# Altium PCB Spektrop2_PCB_Combined_CMV4000_V2.PcbDoc (part 2 of 6)
Units mm, origin at the board's own origin, x right, y up, seen from the top; angles counter-clockwise.
Board outline 86 x 42 mm, 8 copper layers (TOP, L1-GND, L2, L3-1V8, L4-PWR, L5, L6-P2V5, BTM), stack 1.588 mm thick; 343 components, 311 nets, 1810 pads, 948 vias.
Unrouted connection lines stored in the file: 2.
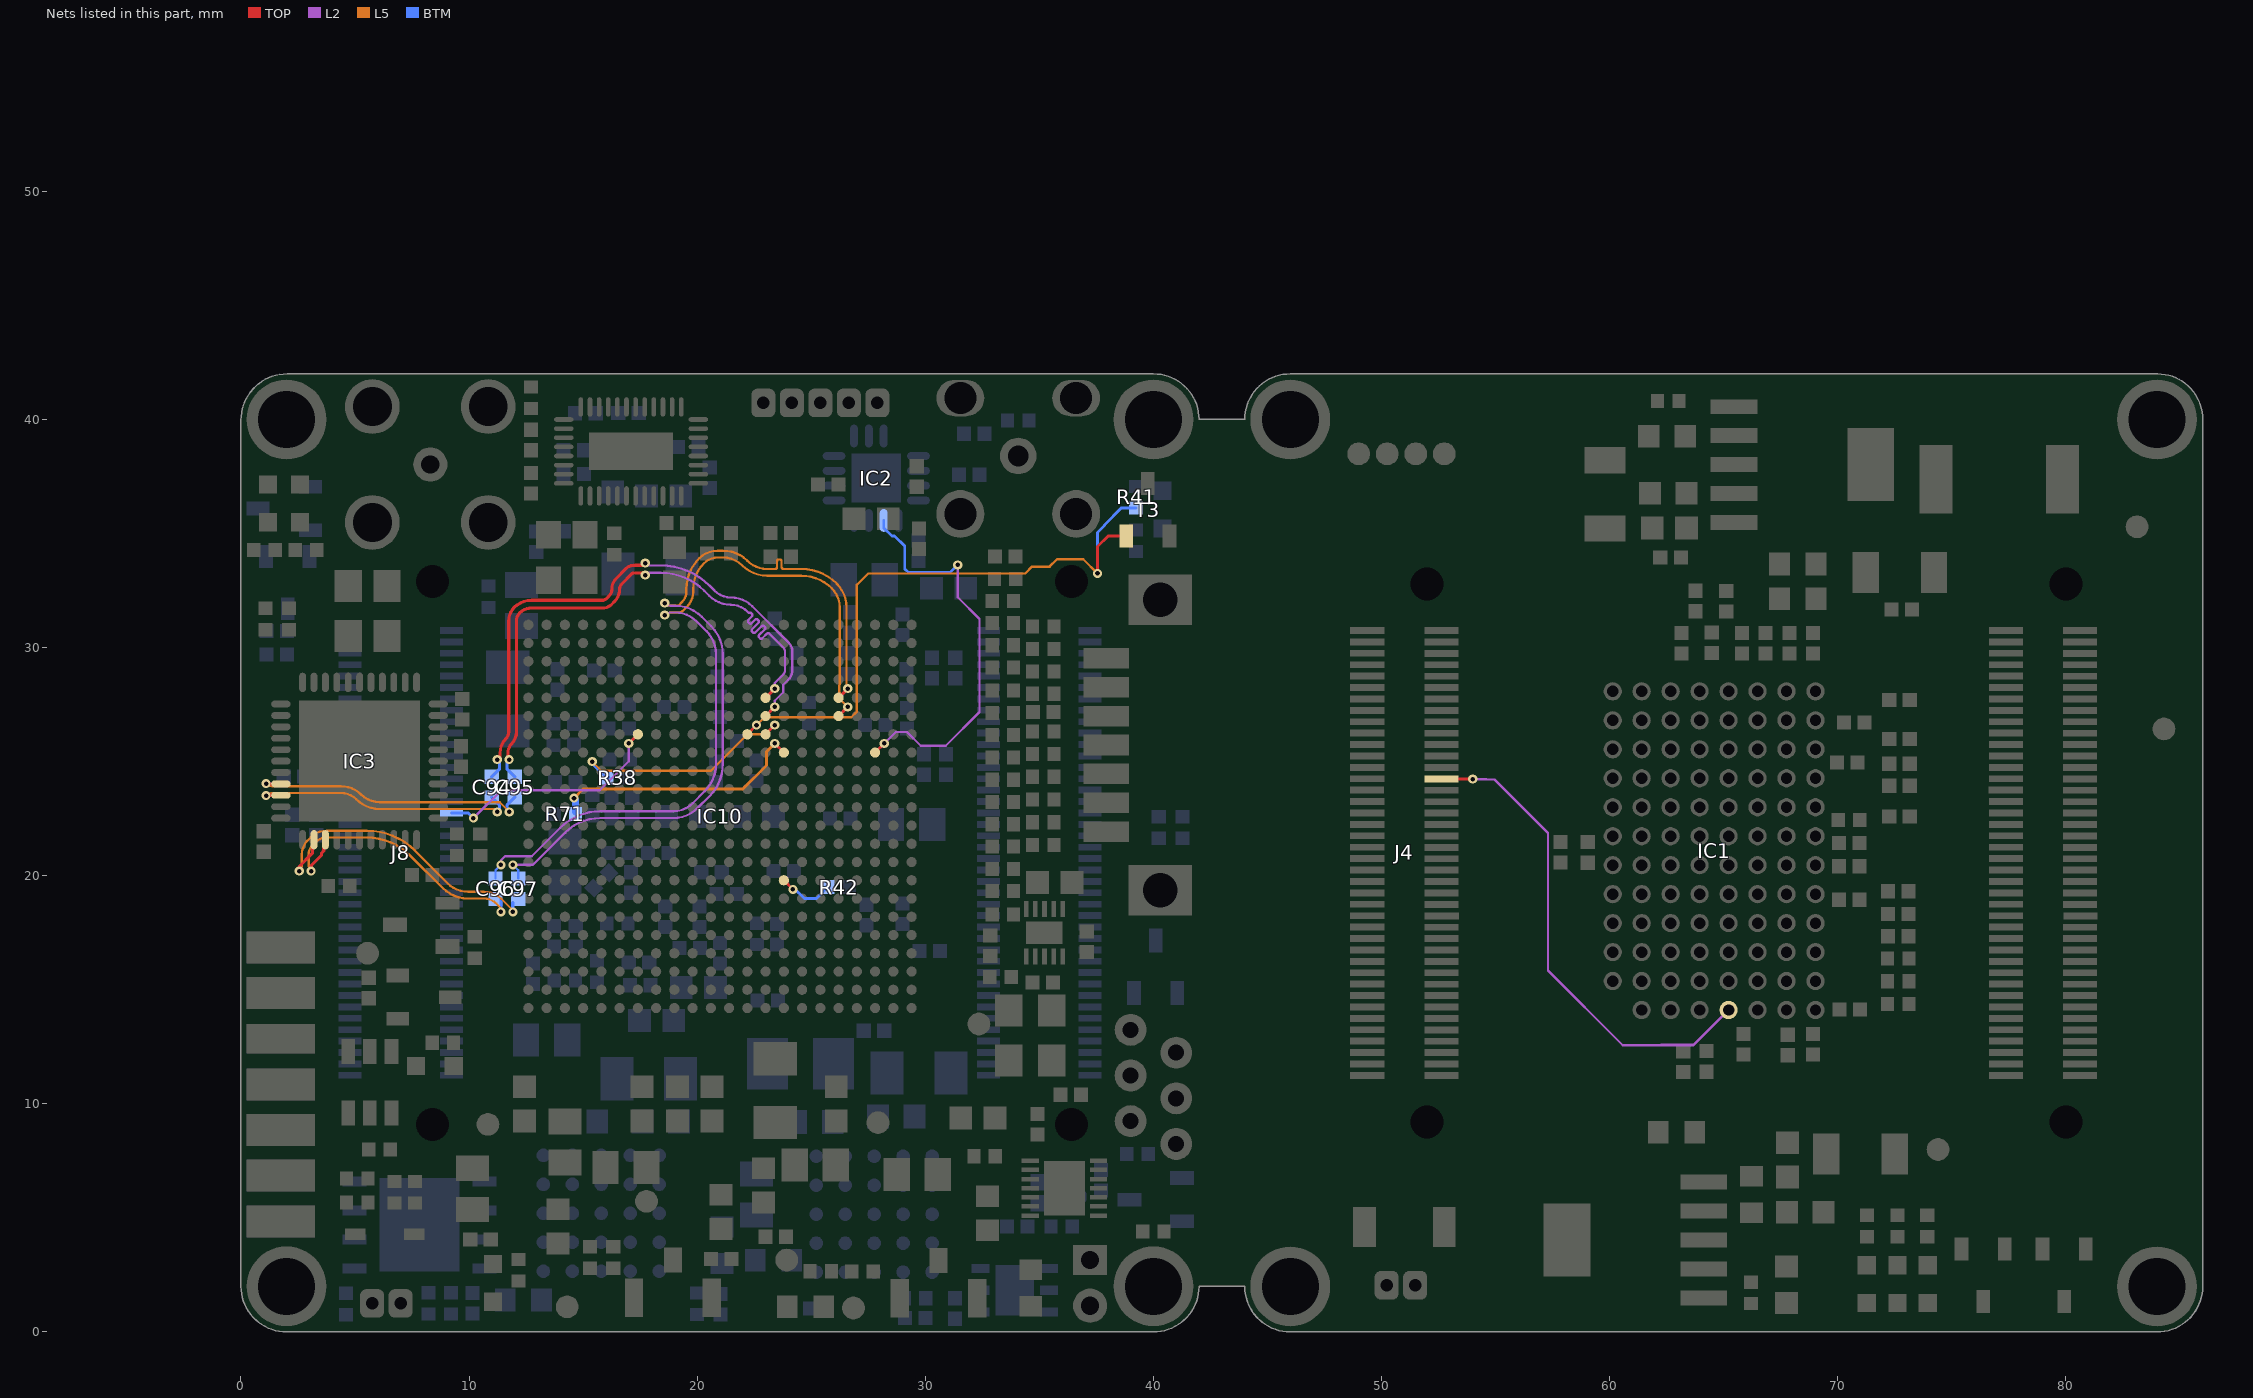
[diagram p8: the nets of this part, all layers, seen from the top]

## Footprints (in the part's own frame and the unit in brackets; to place one, negate y for a bottom-side part, rotate by r counter-clockwise, add the part's x,y. Pads: shape width x height; smd on the part's side, far side on the other; paste and mask are expansions set on the pad) (continued)
BGA484C80P22X22_1900X1900X160 [mm] "BGA, 0.80mm Pitch, Square; 484 Pins, 22 Columns X 22 Rows, 19.00mm X 19.00mm X 1.60mm H"
  round 0.45 smd: A1(-8.4,8.4) A2(-7.6,8.4) A3(-6.8,8.4) A4(-6,8.4) A5(-5.2,8.4) A6(-4.4,8.4) A7(-3.6,8.4) A8(-2.8,8.4) A9(-2,8.4) A10(-1.2,8.4) A11(-0.4,8.4) A12(0.4,8.4) A13(1.2,8.4) A14(2,8.4) A15(2.8,8.4) A16(3.6,8.4) A17(4.4,8.4) A18(5.2,8.4) A19(6,8.4) A20(6.8,8.4) A21(7.6,8.4) A22(8.4,8.4) AA1(-8.4,-7.6) AA2(-7.6,-7.6) AA3(-6.8,-7.6) AA4(-6,-7.6) AA5(-5.2,-7.6) AA6(-4.4,-7.6) AA7(-3.6,-7.6) AA8(-2.8,-7.6) AA9(-2,-7.6) AA10(-1.2,-7.6) AA11(-0.4,-7.6) AA12(0.4,-7.6) AA13(1.2,-7.6) AA14(2,-7.6) AA15(2.8,-7.6) AA16(3.6,-7.6) AA17(4.4,-7.6) AA18(5.2,-7.6) AA19(6,-7.6) AA20(6.8,-7.6) AA21(7.6,-7.6) AA22(8.4,-7.6) AB1(-8.4,-8.4) AB2(-7.6,-8.4) AB3(-6.8,-8.4) AB4(-6,-8.4) AB5(-5.2,-8.4) AB6(-4.4,-8.4) AB7(-3.6,-8.4) AB8(-2.8,-8.4) AB9(-2,-8.4) AB10(-1.2,-8.4) AB11(-0.4,-8.4) AB12(0.4,-8.4) AB13(1.2,-8.4) AB14(2,-8.4) AB15(2.8,-8.4) AB16(3.6,-8.4) AB17(4.4,-8.4) AB18(5.2,-8.4) AB19(6,-8.4) AB20(6.8,-8.4) AB21(7.6,-8.4) AB22(8.4,-8.4) B1(-8.4,7.6) B2(-7.6,7.6) B3(-6.8,7.6) B4(-6,7.6) B5(-5.2,7.6) B6(-4.4,7.6) B7(-3.6,7.6) B8(-2.8,7.6) B9(-2,7.6) B10(-1.2,7.6) B11(-0.4,7.6) B12(0.4,7.6) B13(1.2,7.6) B14(2,7.6) B15(2.8,7.6) B16(3.6,7.6) B17(4.4,7.6) B18(5.2,7.6) B19(6,7.6) B20(6.8,7.6) B21(7.6,7.6) B22(8.4,7.6) C1(-8.4,6.8) C2(-7.6,6.8) C3(-6.8,6.8) C4(-6,6.8) C5(-5.2,6.8) C6(-4.4,6.8) C7(-3.6,6.8) C8(-2.8,6.8) C9(-2,6.8) C10(-1.2,6.8) C11(-0.4,6.8) C12(0.4,6.8) C13(1.2,6.8) C14(2,6.8) C15(2.8,6.8) C16(3.6,6.8) C17(4.4,6.8) C18(5.2,6.8) C19(6,6.8) C20(6.8,6.8) C21(7.6,6.8) C22(8.4,6.8) D1(-8.4,6) D2(-7.6,6) D3(-6.8,6) D4(-6,6) D5(-5.2,6) D6(-4.4,6) D7(-3.6,6) D8(-2.8,6) D9(-2,6) D10(-1.2,6) D11(-0.4,6) D12(0.4,6) D13(1.2,6) D14(2,6) D15(2.8,6) D16(3.6,6) D17(4.4,6) D18(5.2,6) D19(6,6) D20(6.8,6) D21(7.6,6) D22(8.4,6) E1(-8.4,5.2) E2(-7.6,5.2) E3(-6.8,5.2) E4(-6,5.2) E5(-5.2,5.2) E6(-4.4,5.2) E7(-3.6,5.2) E8(-2.8,5.2) E9(-2,5.2) E10(-1.2,5.2) E11(-0.4,5.2) E12(0.4,5.2) E13(1.2,5.2) E14(2,5.2) E15(2.8,5.2) E16(3.6,5.2) E17(4.4,5.2) E18(5.2,5.2) E19(6,5.2) E20(6.8,5.2) E21(7.6,5.2) E22(8.4,5.2) F1(-8.4,4.4) F2(-7.6,4.4) F3(-6.8,4.4) F4(-6,4.4) F5(-5.2,4.4) F6(-4.4,4.4) F7(-3.6,4.4) F8(-2.8,4.4) F9(-2,4.4) F10(-1.2,4.4) F11(-0.4,4.4) F12(0.4,4.4) F13(1.2,4.4) F14(2,4.4) F15(2.8,4.4) F16(3.6,4.4) F17(4.4,4.4) F18(5.2,4.4) F19(6,4.4) F20(6.8,4.4) F21(7.6,4.4) F22(8.4,4.4) G1(-8.4,3.6) G2(-7.6,3.6) G3(-6.8,3.6) G4(-6,3.6) G5(-5.2,3.6) G6(-4.4,3.6) G7(-3.6,3.6) G8(-2.8,3.6) G9(-2,3.6) G10(-1.2,3.6) G11(-0.4,3.6) G12(0.4,3.6) G13(1.2,3.6) G14(2,3.6) G15(2.8,3.6) G16(3.6,3.6) G17(4.4,3.6) G18(5.2,3.6) G19(6,3.6) G20(6.8,3.6) G21(7.6,3.6) G22(8.4,3.6) H1(-8.4,2.8) H2(-7.6,2.8) H3(-6.8,2.8) H4(-6,2.8) H5(-5.2,2.8) H6(-4.4,2.8) H7(-3.6,2.8) H8(-2.8,2.8) H9(-2,2.8) H10(-1.2,2.8) H11(-0.4,2.8) H12(0.4,2.8) H13(1.2,2.8) H14(2,2.8) H15(2.8,2.8) H16(3.6,2.8) H17(4.4,2.8) H18(5.2,2.8) H19(6,2.8) H20(6.8,2.8) H21(7.6,2.8) H22(8.4,2.8) J1(-8.4,2) J2(-7.6,2) J3(-6.8,2) J4(-6,2) J5(-5.2,2) J6(-4.4,2) J7(-3.6,2) J8(-2.8,2) J9(-2,2) J10(-1.2,2) J11(-0.4,2) J12(0.4,2) J13(1.2,2) J14(2,2) J15(2.8,2) J16(3.6,2) J17(4.4,2) J18(5.2,2) J19(6,2) J20(6.8,2) J21(7.6,2) J22(8.4,2) K1(-8.4,1.2) K2(-7.6,1.2) K3(-6.8,1.2) K4(-6,1.2) K5(-5.2,1.2) K6(-4.4,1.2) K7(-3.6,1.2) K8(-2.8,1.2) K9(-2,1.2) K10(-1.2,1.2) K11(-0.4,1.2) K12(0.4,1.2) K13(1.2,1.2) K14(2,1.2) K15(2.8,1.2) K16(3.6,1.2) K17(4.4,1.2) K18(5.2,1.2) K19(6,1.2) K20(6.8,1.2) K21(7.6,1.2) K22(8.4,1.2) L1(-8.4,0.4) L2(-7.6,0.4) L3(-6.8,0.4) L4(-6,0.4) L5(-5.2,0.4) L6(-4.4,0.4) L7(-3.6,0.4) L8(-2.8,0.4) L9(-2,0.4) L10(-1.2,0.4) L11(-0.4,0.4) L12(0.4,0.4) L13(1.2,0.4) L14(2,0.4) L15(2.8,0.4) L16(3.6,0.4) L17(4.4,0.4) L18(5.2,0.4) L19(6,0.4) L20(6.8,0.4) L21(7.6,0.4) L22(8.4,0.4) M1(-8.4,-0.4) M2(-7.6,-0.4) M3(-6.8,-0.4) M4(-6,-0.4) M5(-5.2,-0.4) M6(-4.4,-0.4) M7(-3.6,-0.4) M8(-2.8,-0.4) M9(-2,-0.4) M10(-1.2,-0.4) M11(-0.4,-0.4) M12(0.4,-0.4) M13(1.2,-0.4) M14(2,-0.4) M15(2.8,-0.4) M16(3.6,-0.4) M17(4.4,-0.4) M18(5.2,-0.4) M19(6,-0.4) M20(6.8,-0.4) M21(7.6,-0.4) M22(8.4,-0.4) N1(-8.4,-1.2) N2(-7.6,-1.2) N3(-6.8,-1.2) N4(-6,-1.2) N5(-5.2,-1.2) N6(-4.4,-1.2) N7(-3.6,-1.2) N8(-2.8,-1.2) N9(-2,-1.2) N10(-1.2,-1.2) N11(-0.4,-1.2) N12(0.4,-1.2) N13(1.2,-1.2) N14(2,-1.2) N15(2.8,-1.2) N16(3.6,-1.2) N17(4.4,-1.2) N18(5.2,-1.2) N19(6,-1.2) N20(6.8,-1.2) N21(7.6,-1.2) N22(8.4,-1.2) P1(-8.4,-2) P2(-7.6,-2) P3(-6.8,-2) P4(-6,-2) P5(-5.2,-2) P6(-4.4,-2) P7(-3.6,-2) P8(-2.8,-2) P9(-2,-2) P10(-1.2,-2) P11(-0.4,-2) P12(0.4,-2) P13(1.2,-2) P14(2,-2) P15(2.8,-2) P16(3.6,-2) P17(4.4,-2) P18(5.2,-2) P19(6,-2) P20(6.8,-2) P21(7.6,-2) P22(8.4,-2) R1(-8.4,-2.8) R2(-7.6,-2.8) R3(-6.8,-2.8) R4(-6,-2.8) R5(-5.2,-2.8) R6(-4.4,-2.8) R7(-3.6,-2.8) R8(-2.8,-2.8) R9(-2,-2.8) R10(-1.2,-2.8) R11(-0.4,-2.8) R12(0.4,-2.8) R13(1.2,-2.8) R14(2,-2.8) R15(2.8,-2.8) R16(3.6,-2.8) R17(4.4,-2.8) R18(5.2,-2.8) R19(6,-2.8) R20(6.8,-2.8) R21(7.6,-2.8) R22(8.4,-2.8) T1(-8.4,-3.6) T2(-7.6,-3.6) T3(-6.8,-3.6) T4(-6,-3.6) T5(-5.2,-3.6) T6(-4.4,-3.6) T7(-3.6,-3.6) T8(-2.8,-3.6) T9(-2,-3.6) T10(-1.2,-3.6) T11(-0.4,-3.6) T12(0.4,-3.6) T13(1.2,-3.6) T14(2,-3.6) T15(2.8,-3.6) T16(3.6,-3.6) T17(4.4,-3.6) T18(5.2,-3.6) T19(6,-3.6) T20(6.8,-3.6) T21(7.6,-3.6) T22(8.4,-3.6) U1(-8.4,-4.4) U2(-7.6,-4.4) U3(-6.8,-4.4) U4(-6,-4.4) U5(-5.2,-4.4) U6(-4.4,-4.4) U7(-3.6,-4.4) U8(-2.8,-4.4) U9(-2,-4.4) U10(-1.2,-4.4) U11(-0.4,-4.4) U12(0.4,-4.4) U13(1.2,-4.4) U14(2,-4.4) U15(2.8,-4.4) U16(3.6,-4.4) U17(4.4,-4.4) U18(5.2,-4.4) U19(6,-4.4) U20(6.8,-4.4) U21(7.6,-4.4) U22(8.4,-4.4) V1(-8.4,-5.2) V2(-7.6,-5.2) V3(-6.8,-5.2) V4(-6,-5.2) V5(-5.2,-5.2) V6(-4.4,-5.2) V7(-3.6,-5.2) V8(-2.8,-5.2) V9(-2,-5.2) V10(-1.2,-5.2) V11(-0.4,-5.2) V12(0.4,-5.2) V13(1.2,-5.2) V14(2,-5.2) V15(2.8,-5.2) V16(3.6,-5.2) V17(4.4,-5.2) V18(5.2,-5.2) V19(6,-5.2) V20(6.8,-5.2) V21(7.6,-5.2) V22(8.4,-5.2) W1(-8.4,-6) W2(-7.6,-6) W3(-6.8,-6) W4(-6,-6) W5(-5.2,-6) W6(-4.4,-6) W7(-3.6,-6) W8(-2.8,-6) W9(-2,-6) W10(-1.2,-6) W11(-0.4,-6) W12(0.4,-6) W13(1.2,-6) W14(2,-6) W15(2.8,-6) W16(3.6,-6) W17(4.4,-6) W18(5.2,-6) W19(6,-6) W20(6.8,-6) W21(7.6,-6) W22(8.4,-6) Y1(-8.4,-6.8) Y2(-7.6,-6.8) Y3(-6.8,-6.8) Y4(-6,-6.8) Y5(-5.2,-6.8) Y6(-4.4,-6.8) Y7(-3.6,-6.8) Y8(-2.8,-6.8) Y9(-2,-6.8) Y10(-1.2,-6.8) Y11(-0.4,-6.8) Y12(0.4,-6.8) Y13(1.2,-6.8) Y14(2,-6.8) Y15(2.8,-6.8) Y16(3.6,-6.8) Y17(4.4,-6.8) Y18(5.2,-6.8) Y19(6,-6.8) Y20(6.8,-6.8) Y21(7.6,-6.8) Y22(8.4,-6.8)
  silkscreen extent -10.2,-9.5 9.5,9.5, body extent -9.5,-9.5 9.5,9.5, height 1.6
C100 [mm] "1mm Diameter SMD Pad"
  round 1 smd paste-1: 1(0,0)
CAPC1005X55N [mm] "Chip Capacitor, Body 1.0x0.55mm, IPC Medium Density"
  rect 0.62x0.62 smd: 1(-0.45,0) 2(0.45,0)
  body extent -0.52,-0.27 0.53,0.28, height 0.55
CAPC1005X70N [mm] "Capacitor, Non-Polarized, Chip; 1.00mm L X 0.50mm W X 0.70mm H, IPC Medium Density"
  rect 0.71x0.72 smd: 1(-0.46,0) 2(0.46,0)
  body extent -0.6,-0.35 0.6,0.35, height 0.7
CAPC1608X80N [mm] "Chip Capacitor, Body 1.6x0.8mm IPC Medium Density"
  rect 1x1 smd: 1(-0.75,0) 2(0.75,0)
  body extent -0.87,-0.47 0.88,0.48, height 0.8
CAPC1608X87N [mm] "Chip Capacitor, Body 1.6x0.8mm IPC Medium Density"
  rect 0.95x1 smd: 1(-0.8,0) 2(0.8,0)
  body extent -0.87,-0.47 0.88,0.48, height 0.87
CAPC1709X95N [mm] "Capacitor, non-Polarized, Chip; 1.65mm L X 0.85mm W X 0.95mm H,IPC Medium Density"
  rect 0.95x1 smd: 1(-0.75,0) 2(0.75,0)
  body extent -0.87,-0.47 0.88,0.48, height 0.95
CAPC1709X100N [mm] "Capacitor,non-Polarized, Chip;1.65mm L X 0.85mm W X 1.00mm H, IPC Medium Density"
  rect 0.95x1.05 smd: 1(-0.8,0) 2(0.8,0)
  body extent -0.9,-0.5 0.9,0.5, height 1
CAPC2012X95N [mm] "Chip Capacitor, Body 2.0x1.25mm, IPC Medium Density"
  rect 1.1x1.45 smd: 1(-0.9,0) 2(0.9,0)
  silkscreen extent 0,-0.57 0,0.57, body extent -1.05,-0.67 1.05,0.68, height 0.95
CAPC2012X140N [mm] "Chip Capacitor, Body 2.0x1.25mm, IPC Medium Density"
  rect 1.15x1.45 smd: 1(-0.9,0) 2(0.9,0)
  silkscreen extent 0,-0.57 0,0.57, body extent -1.05,-0.67 1.05,0.68, height 1.3
CAPC3216X180N [mm] "Chip Capacitor, Body 3.2x1.6mm, IPC Medium Density"
  rect 1.15x1.8 smd: 1(-1.5,0) 2(1.5,0)
  silkscreen extent -0.55,-0.8 0.55,0.8, body extent -1.7,-0.9 1.7,0.9, height 1.8
CAPC3216X190N [mm] "Chip Capacitor, Body 3.2x1.6mm, IPC Medium Density"
  rect 1.45x1.9 smd: 1(-1.4,0) 2(1.4,0)
  silkscreen extent -0.3,-0.95 0.3,0.95, body extent -1.75,-0.95 1.75,0.95, height 1.9
CAPMP3528X210N [mm] "Capacitor, Polarized, Molded  Body 3.5x2.8mm, IPC Medium Density"
  rect 1.8x2.25 smd: 1(-1.45,0) 2(1.45,0)
  silkscreen extent -2.52,-1.5 1.85,1.72, body extent -1.85,-1.5 1.85,1.5, height 2.1
CMOSIS_CMV4000 [mm] "Megapixel machine vision CMOS image sensor"
  round 0.8 hole 0.5: A2(4.445,-5.715) A3(4.445,-4.445) A4(4.445,-3.175) A5(4.445,-1.905) A6(4.445,-0.635) A7(4.445,0.635) A8(4.445,1.905) A9(4.445,3.175) A10(4.445,4.445) A11(4.445,5.715) A12(4.445,6.985) B1(3.175,-6.985) B2(3.175,-5.715) B3(3.175,-4.445) B4(3.175,-3.175) B5(3.175,-1.905) B6(3.175,-0.635) B7(3.175,0.635) B8(3.175,1.905) B9(3.175,3.175) B10(3.175,4.445) B11(3.175,5.715) B12(3.175,6.985) C1(1.905,-6.985) C2(1.905,-5.715) C3(1.905,-4.445) C4(1.905,-3.175) C5(1.905,-1.905) C6(1.905,-0.635) C7(1.905,0.635) C8(1.905,1.905) C9(1.905,3.175) C10(1.905,4.445) C11(1.905,5.715) C12(1.905,6.985) D1(0.635,-6.985) D2(0.635,-5.715) D3(0.635,-4.445) D4(0.635,-3.175) D5(0.635,-1.905) D6(0.635,-0.635) D7(0.635,0.635) D8(0.635,1.905) D9(0.635,3.175) D10(0.635,4.445) D11(0.635,5.715) D12(0.635,6.985) E1(-0.635,-6.985) E2(-0.635,-5.715) E3(-0.635,-4.445) E4(-0.635,-3.175) E5(-0.635,-1.905) E6(-0.635,-0.635) E7(-0.635,0.635) E8(-0.635,1.905) E9(-0.635,3.175) E10(-0.635,4.445) E11(-0.635,5.715) E12(-0.635,6.985) F1(-1.905,-6.985) F2(-1.905,-5.715) F3(-1.905,-4.445) F4(-1.905,-3.175) F5(-1.905,-1.905) F6(-1.905,-0.635) F7(-1.905,0.635) F8(-1.905,1.905) F9(-1.905,3.175) F10(-1.905,4.445) F11(-1.905,5.715) F12(-1.905,6.985) G1(-3.175,-6.985) G2(-3.175,-5.715) G3(-3.175,-4.445) G4(-3.175,-3.175) G5(-3.175,-1.905) G6(-3.175,-0.635) G7(-3.175,0.635) G8(-3.175,1.905) G9(-3.175,3.175) G10(-3.175,4.445) G11(-3.175,5.715) G12(-3.175,6.985) H1(-4.445,-6.985) H2(-4.445,-5.715) H3(-4.445,-4.445) H4(-4.445,-3.175) H5(-4.445,-1.905) H6(-4.445,-0.635) H7(-4.445,0.635) H8(-4.445,1.905) H9(-4.445,3.175) H10(-4.445,4.445) H11(-4.445,5.715) H12(-4.445,6.985)
  silkscreen extent -9.33,-9.33 9.33,9.33, body extent -9.42,-9.42 9.42,9.42, height 3.58
DIOMELF3515N [mm] "SOD80C, MELF Diode, 2-Leads, Body 3.5x1.5mm, IPC Medium Density"
  rect 1x1.75 smd: 1(-1.75,0) 2(1.75,0)
  silkscreen extent -0.85,-0.8 0.85,0.8, body extent -1.85,-0.8 1.85,0.8, height 1.6
HARWIN_M22-2510205 [mm] "2 Contacts - Pitch 2mm - Single Row Through Mount Straight Header (Post Lead = 3.5mm, Tail Lead 2.3mm, Insulator 1.5mm)"
  rect 1.3x1.5 hole 0.8: 1(0,0)
  round 1.5 hole 0.8: 2(2,0)
  silkscreen extent -0.8,-1 3,1.34, body extent -1,-1 3,1, height 5
IND_BOURNS_SDR6603 [mm] "SMD Inductor  Body Width 4.45mm Body Lenght 6.6mm Height 2.92mm"
  rect 1.45x3 smd: 1(-2.775,0) 2(2.775,0)
  silkscreen extent -1.7,-2.23 1.7,2.22, body extent -3.3,-2.22 3.3,2.23, height 2.92
INDC1608X65N [mm] "Chip Inductor, 2-Leads, EIA 0603, Metric 1608, Body 1.6x0.8mm, IPC Medium Density"
  rect 1x1 smd: 1(-0.75,0) 2(0.75,0)
  body extent -0.87,-0.47 0.88,0.48, height 0.65
LED_KINGBRIGHT_KPH-1608CGCK [mm] "SMT Green LED, Case 0603, Body L 1.6 x W 0.8mm H 0.65mm"
  rect 0.8x0.8 smd: 1(-0.825,0) 2(0.825,0)
  silkscreen extent -1.82,-0.4 0.08,0.4, body extent -0.8,-0.4 0.8,0.4, height 0.65
MOLEX_52030-0629 [mm] "6 Contacts, 1.0mm Pitch, Vertical Through-Hole FCC/FPC Connector"
  round 1.4 hole 0.7: 1(-2.5,-1) 2(-1.5,1) 3(-0.5,-1) 4(0.5,1) 5(1.5,-1) 6(2.5,1)
  silkscreen extent -5.65,-2.5 5.65,1.75, body extent -5.65,-1.75 5.65,1.75, height 6.7
MOLEX_53047-0210 [mm] "1.25mm Pitch PicoBlade™ Wire-to-Board 2 Circuits Vertical Header with Friction Lock"
  rrect50% 1.05x1.25 hole 0.55: 1(-0.625,0) 2(0.625,0)
  silkscreen extent -2.13,-1.13 2.13,2.08, body extent -2.12,-1.17 2.13,2.08, height 4.2
MOLEX_53047-0510 [mm] "1.25mm Pitch PicoBlade™ Wire-to-Board 5 Circuits Vertical Header with Friction Lock"
  rrect50% 1.05x1.25 hole 0.55: 1(-2.5,0) 2(-1.25,0) 3(0,0) 4(1.25,0) 5(2.5,0)
  silkscreen extent -4,-1.97 4,2.08, body extent -4,-1.12 4,2.08, height 4.2
MOLEX_87831-1420_h [mm] "2.00mm (.079\") Pitch Milli-Grid™ Header, Vertical, Shrouded, Center Polarization Slot, Locking Window, 14 Circuits (Customized PCB Edge assembly)"
  rect 1.4x3 smd paste-1.5: 1(-6,-2) 3(-4,-2) 5(-2,-2) 7(0,-2) 11(4,-2) 13(6,-2)
  rect 1.4x3 smd far side paste-1.5: 2(-6,-2) 4(-4,-2) 6(-2,-2) 8(0,-2) 12(4,-2) 14(6,-2)
  rect 1.3x3 smd paste-1.5: 9(2,-2)
  rect 1.3x3 smd far side paste-1.5: 10(2,-2)
  silkscreen extent -8.33,0 8.33,6.4, body extent -8.32,-2.5 8.33,6.4, height 2.35
OSC_SI-TIME_3.2X2.5X0.75mm [mm] "Si Time Oscillators, 4 Pin, Pitch 2.1mm, 3.2mm x 2.5mm x0.75mm"
  rect 1.2x1.4 smd: 1(-0.95,1.1) 2(-0.95,-1.1) 3(0.95,-1.1) 4(0.95,1.1)
  silkscreen extent -2.17,-1.62 0,1.63, body extent -1.27,-1.62 1.28,1.63, height 0.8
OSCCC200X250X90-4N [mm] "Oscillator, corner concave; 4 pin, 2.50mm L X 2.00mm W X 0.90mm H, IPC Medium Density"
  rect 1.1x1.2 smd: 1(-0.8,1) 2(-0.8,-1) 3(0.8,-1) 4(0.8,1)
  silkscreen extent -1.97,0.88 -1.72,1.12, body extent -1.07,-1.32 1.08,1.33, height 0.8
PB_OMRON_B3U-1100P [mm] "Body 1.2x3x2.5mm Ultra-Small Tactile Pushbutton Switch, (with Ground Terminal), OMRON B3U Series"
  rect 0.8x1.7 smd: 1(-1.7,0) 2(1.7,0)
  rect 0.8x1.1 smd: 3(0,-1.65)
  silkscreen extent -1.5,-1.25 1.5,1.25, body extent -2,-1.95 2,1.25, height 1.75
QFN40P600X400X100-41N-R370X168 [mm] "QFN, 0.40mm Pitch, Rect., Pin 1 on Short Dimension; 40 Pin, 4.00mm L X 6.00mm W X 1.00mm H Body (w/Thermal Tab 3.70 X 1.68 mm), IPC Medium Density"
  oval 0.85x0.2 smd: 1(-2.95,1.4) 2(-2.95,1) 3(-2.95,0.6) 4(-2.95,0.2) 5(-2.95,-0.2) 6(-2.95,-0.6) 7(-2.95,-1) 8(-2.95,-1.4) 21(2.95,-1.4) 22(2.95,-1) 23(2.95,-0.6) 24(2.95,-0.2) 25(2.95,0.2) 26(2.95,0.6) 27(2.95,1) 28(2.95,1.4)
  oval 0.2x0.85 smd: 9(-2.2,-1.95) 10(-1.8,-1.95) 11(-1.4,-1.95) 12(-1,-1.95) 13(-0.6,-1.95) 14(-0.2,-1.95) 15(0.2,-1.95) 16(0.6,-1.95) 17(1,-1.95) 18(1.4,-1.95) 19(1.8,-1.95) 20(2.2,-1.95) 29(2.2,1.95) 30(1.8,1.95) 31(1.4,1.95) 32(1,1.95) 33(0.6,1.95) 34(0.2,1.95) 35(-0.2,1.95) 36(-0.6,1.95) 37(-1,1.95) 38(-1.4,1.95) 39(-1.8,1.95) 40(-2.2,1.95)
  rect 3.7x1.65 smd paste-0.405: 41(0,0)
  silkscreen extent -4.08,-2 3,2, body extent -3,-2 3,2, height 1
QFN50P700X700X90-45N-S530 [mm] "QFN,0.50mm Pitch, Square; 44 Pin, 7.00mm L X 7.00mm W X 0.90mm H Body (W/Thermal Tab 5.3mm X 5.3mm), IPC Medium Density"
  oval 0.85x0.3 smd: 1(-3.45,2.5) 2(-3.45,2) 3(-3.45,1.5) 4(-3.45,1) 5(-3.45,0.5) 6(-3.45,0) 7(-3.45,-0.5) 8(-3.45,-1) 9(-3.45,-1.5) 10(-3.45,-2) 11(-3.45,-2.5) 23(3.45,-2.5) 24(3.45,-2) 25(3.45,-1.5) 26(3.45,-1) 27(3.45,-0.5) 28(3.45,0) 29(3.45,0.5) 30(3.45,1) 31(3.45,1.5) 32(3.45,2) 33(3.45,2.5)
  oval 0.3x0.85 smd: 12(-2.5,-3.45) 13(-2,-3.45) 14(-1.5,-3.45) 15(-1,-3.45) 16(-0.5,-3.45) 17(0,-3.45) 18(0.5,-3.45) 19(1,-3.45) 20(1.5,-3.45) 21(2,-3.45) 22(2.5,-3.45) 34(2.5,3.45) 35(2,3.45) 36(1.5,3.45) 37(1,3.45) 38(0.5,3.45) 39(0,3.45) 40(-0.5,3.45) 41(-1,3.45) 42(-1.5,3.45) 43(-2,3.45) 44(-2.5,3.45)
  rect 5.3x5.3 smd: 45(0,0)
  silkscreen extent -4.57,-3.5 3.5,3.5, body extent -3.5,-3.5 3.5,3.5, height 0.9
QFN65P400X400X95-17N-S215 [mm] "QFN, 0.65mm Pitch, Square; 16 Pin, 4.00mm L X 4.00mm W X 0.95mm H Body (w/Thermal tab 2.15 X 2.15mm), IPC Medium Density"
  oval 1x0.35 smd: 1(-1.85,0.975) 2(-1.85,0.325) 3(-1.85,-0.325) 4(-1.85,-0.975) 9(1.85,-0.975) 10(1.85,-0.325) 11(1.85,0.325) 12(1.85,0.975)
  oval 0.35x1 smd: 5(-0.975,-1.85) 6(-0.325,-1.85) 7(0.325,-1.85) 13(0.975,1.85) 14(0.325,1.85) 15(-0.325,1.85) 16(-0.975,1.85)
  rect 2.15x2.15 smd: 17(0,0)
  silkscreen extent -3.07,-2 2,2, body extent -2,-2 2,2, height 0.95
RESC1005X40N [mm] "Chip Resistor, EIA 0402, Metric 1005, Body 1.0x0.5mm, IPC Medium Density"
  rect 0.58x0.62 smd: 1(-0.47,0) 2(0.47,0)
  body extent -0.52,-0.27 0.53,0.28, height 0.4
RESC1608X55N [mm] "Chip Resistor, EIA 0603, Metric 1608, Body 1.6x0.8mm, IPC Medium Density"
  rect 0.9x1 smd: 1(-0.8,0) 2(0.8,0)
  body extent -0.87,-0.47 0.88,0.48, height 0.55
SAMTEC_ERF5-040-05.0-L-DV-K [mm] "80 Contacts, Pitch 0.5mm, Edge Rate™ Rugged High Speed Straight Socket Strip"
  rect 0.3x1 smd: 1(9.75,2.225) 2(9.75,-2.225) 3(9.25,2.225) 4(9.25,-2.225) 5(8.75,2.225) 6(8.75,-2.225) 7(8.25,2.225) 8(8.25,-2.225) 9(7.75,2.225) 10(7.75,-2.225) 11(7.25,2.225) 12(7.25,-2.225) 13(6.75,2.225) 14(6.75,-2.225) 15(6.25,2.225) 16(6.25,-2.225) 17(5.75,2.225) 18(5.75,-2.225) 19(5.25,2.225) 20(5.25,-2.225) 21(4.75,2.225) 22(4.75,-2.225) 23(4.25,2.225) 24(4.25,-2.225) 25(3.75,2.225) 26(3.75,-2.225) 27(3.25,2.225) 28(3.25,-2.225) 29(2.75,2.225) 30(2.75,-2.225) 31(2.25,2.225) 32(2.25,-2.225) 33(1.75,2.225) 34(1.75,-2.225) 35(1.25,2.225) 36(1.25,-2.225) 37(0.75,2.225) 38(0.75,-2.225) 39(0.25,2.225) 40(0.25,-2.225) 41(-0.25,2.225) 42(-0.25,-2.225) 43(-0.75,2.225) 44(-0.75,-2.225) 45(-1.25,2.225) 46(-1.25,-2.225) 47(-1.75,2.225) 48(-1.75,-2.225) 49(-2.25,2.225) 50(-2.25,-2.225) 51(-2.75,2.225) 52(-2.75,-2.225) 53(-3.25,2.225) 54(-3.25,-2.225) 55(-3.75,2.225) 56(-3.75,-2.225) 57(-4.25,2.225) 58(-4.25,-2.225) 59(-4.75,2.225) 60(-4.75,-2.225) 61(-5.25,2.225) 62(-5.25,-2.225) 63(-5.75,2.225) 64(-5.75,-2.225) 65(-6.25,2.225) 66(-6.25,-2.225) 67(-6.75,2.225) 68(-6.75,-2.225) 69(-7.25,2.225) 70(-7.25,-2.225) 71(-7.75,2.225) 72(-7.75,-2.225) 73(-8.25,2.225) 74(-8.25,-2.225) 75(-8.75,2.225) 76(-8.75,-2.225) 77(-9.25,2.225) 78(-9.25,-2.225) 79(-9.75,2.225) 80(-9.75,-2.225)
  round 0.5 hole 1.45 unplated mask+0.475: 81(-11.9,1.4) 82(11.9,1.4)
  silkscreen extent -13.4,-2.47 13.4,2.47, body extent -13.4,-2.47 13.4,2.48, height 4.91
SAMTEC_ERM5-040-05.0-L-DV-K [mm] "80 Contacts, Pitch 0.5mm, Edge Rate™ Rugged High Speed Straight Header Strip, Lead Style 5.0"
  rect 0.3x1.5 smd: 1(9.75,-1.626) 2(9.754,1.626) 3(9.25,-1.626) 4(9.253,1.626) 5(8.75,-1.626) 6(8.754,1.626) 7(8.25,-1.626) 8(8.254,1.626) 9(7.75,-1.626) 10(7.754,1.626) 11(7.25,-1.626) 12(7.254,1.626) 13(6.75,-1.626) 14(6.754,1.626) 15(6.25,-1.626) 16(6.242,1.626) 17(5.75,-1.626) 18(5.754,1.626) 19(5.25,-1.626) 20(5.253,1.626) 21(4.75,-1.626) 22(4.754,1.626) 23(4.25,-1.626) 24(4.254,1.626) 25(3.75,-1.626) 26(3.753,1.626) 27(3.25,-1.626) 28(3.254,1.626) 29(2.75,-1.626) 30(2.756,1.638) 31(2.246,-1.626) 32(2.254,1.626) 33(1.759,-1.626) 34(1.754,1.626) 35(1.246,-1.626) 36(1.253,1.626) 37(0.746,-1.626) 38(0.753,1.626) 39(0.247,-1.626) 40(0.253,1.626) 41(-0.253,-1.626) 42(-0.247,1.626) 43(-0.753,-1.626) 44(-0.746,1.626) 45(-1.253,-1.626) 46(-1.246,1.626) 47(-1.754,-1.626) 48(-1.759,1.626) 49(-2.254,-1.626) 50(-2.246,1.626) 51(-2.756,-1.638) 52(-2.75,1.626) 53(-3.254,-1.626) 54(-3.25,1.626) 55(-3.753,-1.626) 56(-3.75,1.626) 57(-4.254,-1.626) 58(-4.25,1.626) 59(-4.754,-1.626) 60(-4.75,1.626) 61(-5.253,-1.626) 62(-5.25,1.626) 63(-5.754,-1.626) 64(-5.75,1.626) 65(-6.242,-1.626) 66(-6.25,1.626) 67(-6.754,-1.626) 68(-6.75,1.626) 69(-7.254,-1.626) 70(-7.25,1.626) 71(-7.754,-1.626) 72(-7.75,1.626) 73(-8.254,-1.626) 74(-8.25,1.626) 75(-8.754,-1.626) 76(-8.75,1.626) 77(-9.253,-1.626) 78(-9.25,1.626) 79(-9.754,-1.626) 80(-9.75,1.626)
  round 0.5 hole 1.45 unplated mask+0.475: 81(-11.8,-1) 82(11.8,-1)
  silkscreen extent -13.4,-2.47 13.4,2.47, body extent -13.4,-2.47 13.4,2.48, height 8.94
SOD2513X114N [mm] "SOD-323 Diode; 1.75mm W X 1.30mm L X 1.14mm H Body, IPC Medium Density"
  rect 0.9x0.5 smd: 1(-1.3,0) 2(1.3,0)
  silkscreen extent -1.45,-0.72 0.95,0.82, body extent -1.4,-0.72 1.4,0.73, height 1.15
SON40P200X200X80-11N-R100X160 [mm] "SON, 0.40mm Pitch; 10 Pin, 2.00mm W X 2.00mm L X 0.80mm H Body, (w/thermal tab 1.00 X 1.60 mm), IPC Medium Density"
  rect 0.7x0.2 smd: 1(-1.05,0.8) 2(-1.05,0.4) 3(-1.05,0) 4(-1.05,-0.4) 5(-1.05,-0.8) 6(1.05,-0.8) 7(1.05,-0.4) 8(1.05,0) 9(1.05,0.4) 10(1.05,0.8)